# KiCad board AMC_FMC_Carrier-PcbDoc.kicad_pcb (continued)
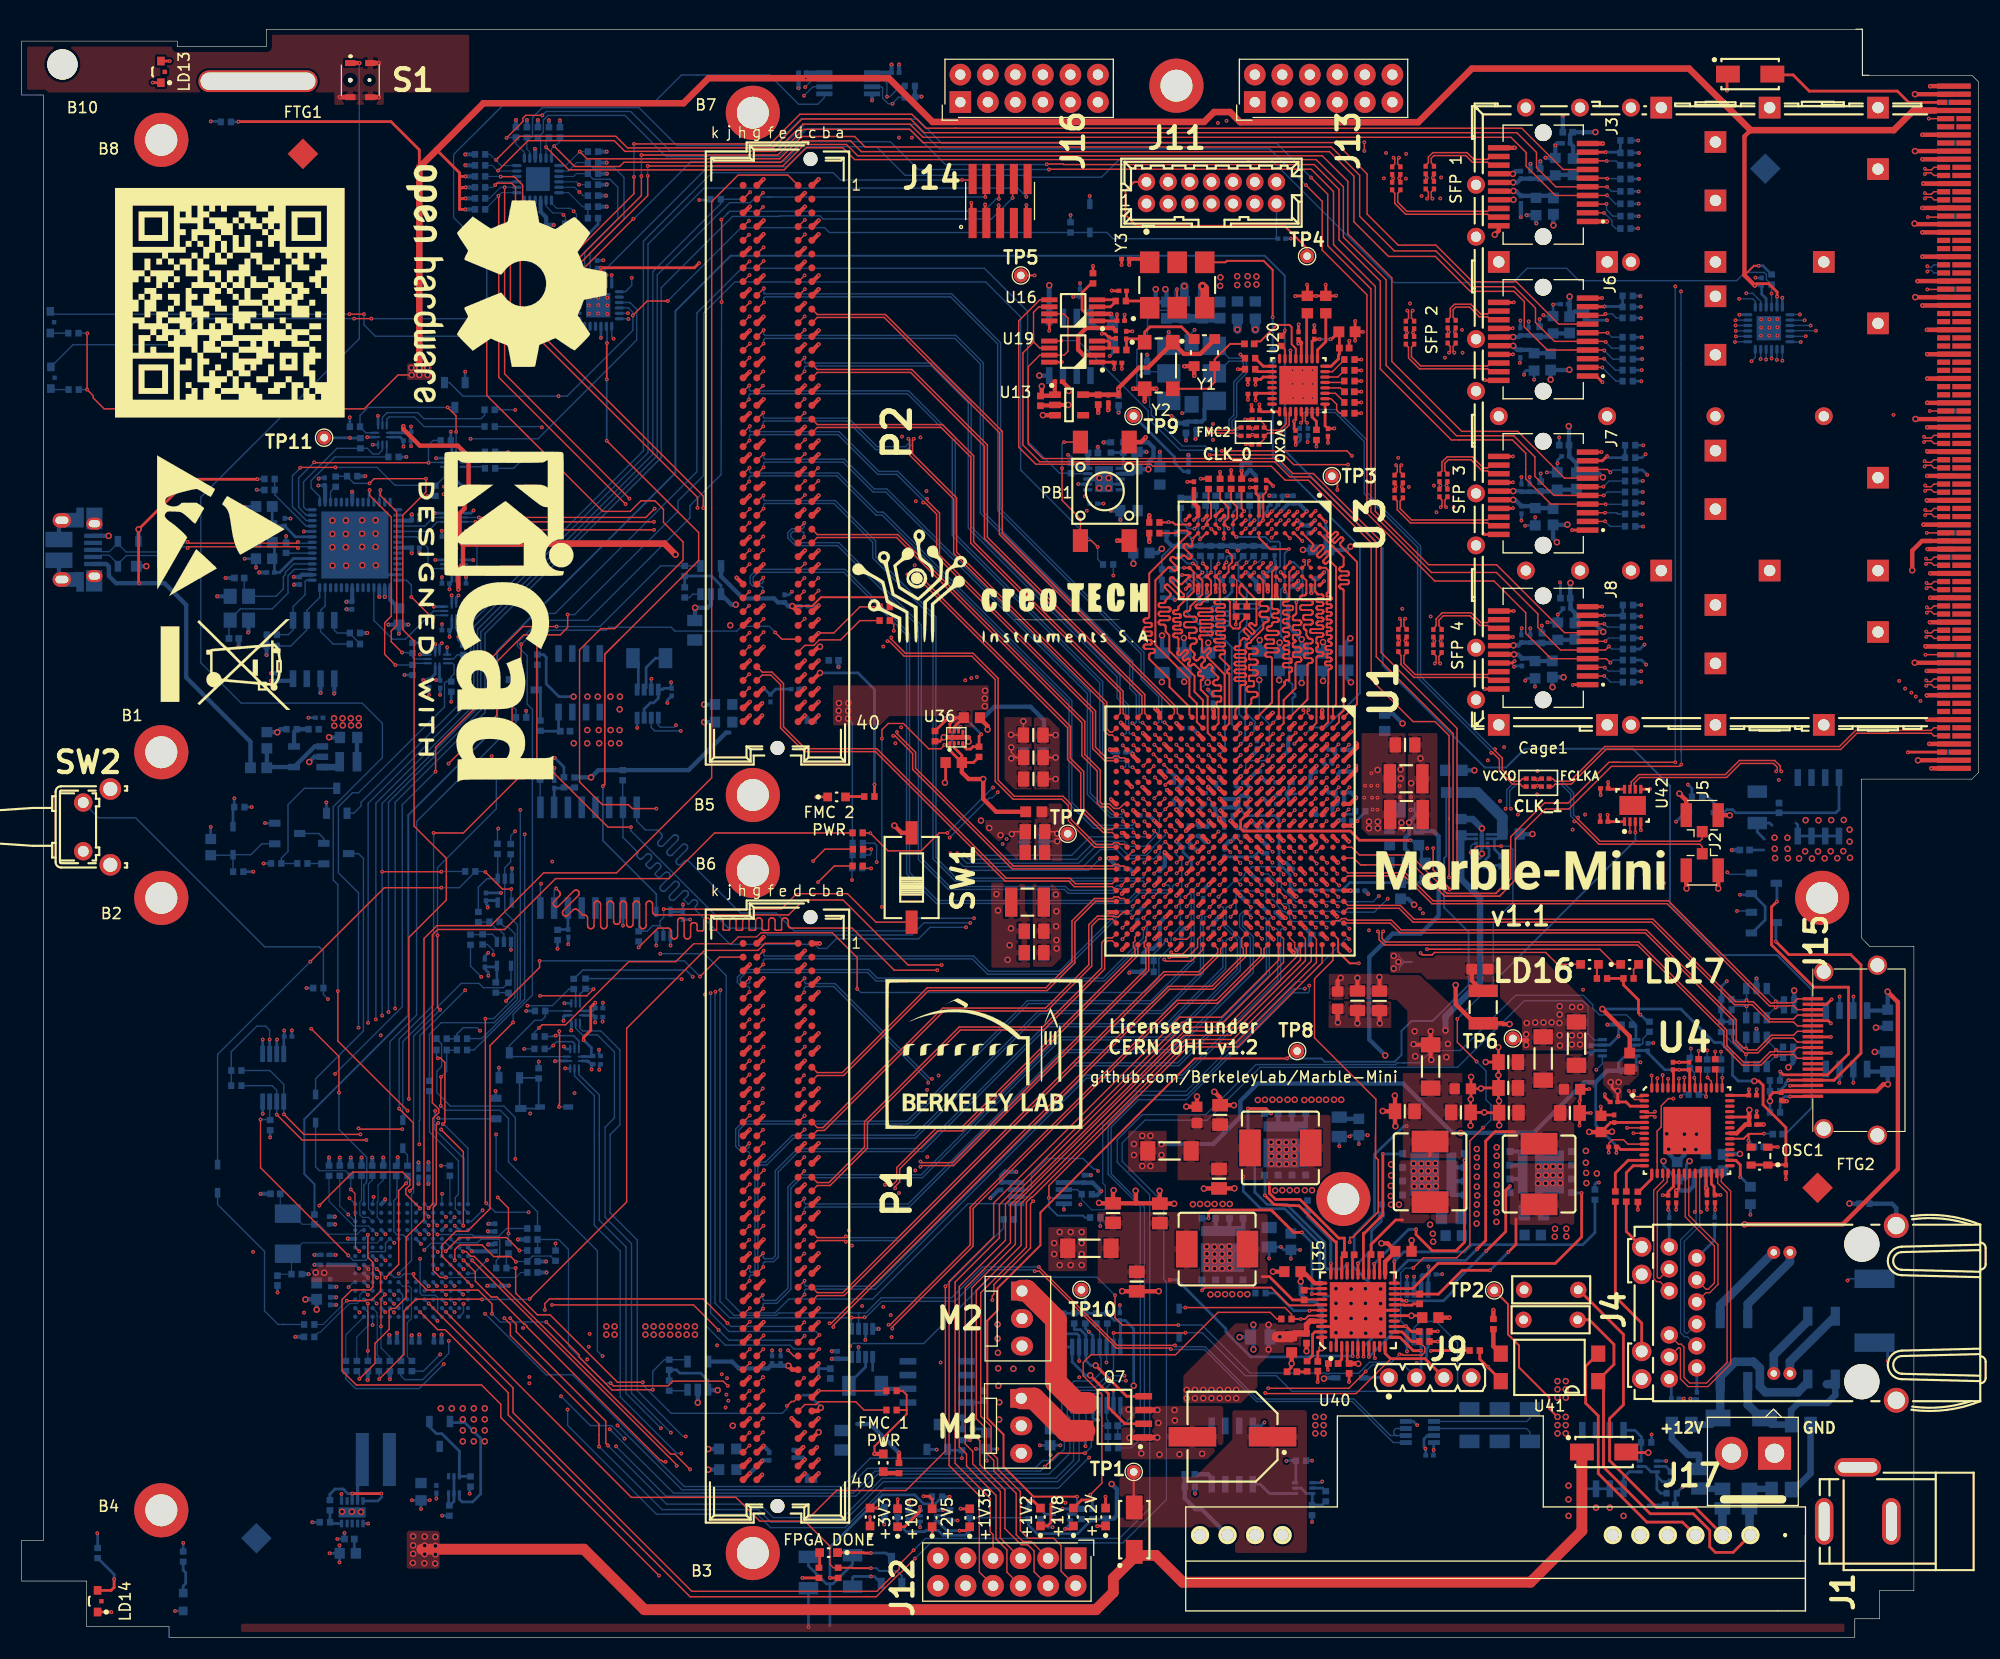
[diagram p0: board, top side]
## Routing (per net, layer and track width the routed paths; a pad name or vN(x,y) marks a point on that pad's centre or on a via; arc(x,y) is an arc through that point) (continued)
/FPGA/FPGA_INT: length 125.6
  Top w0.127: U1.F18 117.04,67.96 v1(117.5,67.5)
  In2.Cu w0.127: v1(38.4,35.6) 37.96,35.16 37.96,29.1 38.2,28.86 39.25,28.86 51.03,17.08 54.99,17.08 58.24,20.33 63.35,20.33 66.6,17.08 77.39,17.08 85.79,25.48 85.79,33.2 91.44,38.85 91.44,41.39 103.83,53.78 109.68,53.78 116.94,61.05 116.94,62.34 ; 116.94,62.34 116.94,63.6 117.02,63.67 117.02,67.02 v1(117.5,67.5) ; 116.94,62.34 116.94,62.26
  Bottom w0.127: v1(38.4,35.6) 38,36.01 U2.J10
/FPGA/FPGA_MGT/EXT_CLK_N: length 18.5
  Top w0.13: J2.1 155.12,73.01 154.88,73.25 145.57,73.25 143.47,75.35 v1(143.31,75.35)
  Bottom w0.13: v1(143.31,75.35) 143.31,75.51 142.97,75.85 142.97,77.88 142.07,78.78 141.56,78.78 141.33,78.55 C379.1
/FPGA/FPGA_MGT/EXT_CLK_P: length 18.5
  Top w0.13: J5.1 155.12,73.75 154.88,73.52 145.69,73.52 143.66,75.54 v1(143.66,75.7)
  Bottom w0.13: v1(143.66,75.7) 143.5,75.7 143.24,75.96 143.24,78 142.18,79.05 141.56,79.05 141.33,79.29 C378.1
/FPGA/FPGA_MGT/MGT_CLK_0_N: length 42.5
  Top w0.112: C297.2 113.87,111.05 v1(113.6,111.05) 113.35,111.05 C291.2
  Top w0.13: U1.E6 118.03,79.97 v1(118.49,80.43)
  In2.Cu w0.102: 118.5,80.43 118.19,80.43 118.12,80.5 118.12,81.67 118.28,81.84 118.69,81.84 119.09,82.24 119.09,83.68 119.63,84.23 120.16,84.23 122.11,86.17 122.11,103.87 118.06,107.92 114.25,107.92 112.48,109.69 112.48,111.04 112.66,111.22 113.43,111.22 v1(113.6,111.05)
  Bottom w0.13: C386.2 113.36,111.05 v1(113.6,111.05)
/FPGA/FPGA_MGT/MGT_CLK_0_P: length 43
  Top w0.112: C296.2 113.87,111.62 v1(113.6,111.62) 113.35,111.62 C290.2
  Top w0.13: U1.F6 v1(117.5,80.43)
  In2.Cu w0.102: v1(113.6,111.62) 113.43,111.45 112.57,111.45 112.25,111.13 112.25,109.59 114.15,107.7 117.96,107.7 121.88,103.77 121.88,86.27 120.07,84.45 119.53,84.45 118.86,83.78 118.86,82.33 118.6,82.07 118.19,82.07 117.89,81.77 117.89,80.51 117.8,80.43 117.51,80.43
  Bottom w0.13: v1(113.6,111.62) 113.35,111.62 C385.2 113.34,111.72
/FPGA/FPGA_MGT/MGT_CLK_1_N: length 33.8
  Top w0.102: C294.2 140.19,78.65 v1(139.92,78.65) 139.65,78.65 C289.2
  Top w0.13: U1.E10 118.03,75.96 v1(118.46,76.39)
  In2.Cu w0.102: v1(118.46,76.39) 118.21,76.39 118.09,76.27 118.09,74.87 118.72,74.24 130.38,74.24 137.09,80.95 140.92,80.95 141.62,80.25 141.62,79.26 141.17,78.82 140.09,78.82 v1(139.92,78.65)
  Bottom w0.102: C289.2 139.65,78.65 v1(139.92,78.65)
  Bottom w0.127: C379.2 140.19,78.65 v1(139.92,78.65)
/FPGA/FPGA_MGT/MGT_CLK_1_P: length 33.4
  Top w0.102: C292.2 140.19,79.22 v1(139.92,79.22) 139.65,79.22 C288.2
  Top w0.13: v1(117.5,76.39) 117.07,75.96 U1.F10
  In2.Cu w0.102: v1(117.5,76.39) 117.73,76.39 117.86,76.26 117.86,74.77 118.62,74.02 130.48,74.02 137.18,80.72 140.82,80.72 141.39,80.15 141.39,79.36 141.07,79.04 140.09,79.04 v1(139.92,79.22)
  Bottom w0.102: C293.2 139.64,79.22 v1(139.92,79.22)
  Bottom w0.127: v1(139.92,79.22) 140.22,79.22 C378.2
/FPGA/FPGA_MGT/MGT_RX_0_N: length 66.3
  Top w0.112: C323.2 129.69,134.54 v1(129.69,134.79) 129.69,135.05 C307.2
  Top w0.13: U1.A8 122.03,77.97 v1(122.55,78.5)
  In2.Cu w0.102: v1(129.69,134.79) 129.86,134.96 129.86,135.37 129.47,135.76 129.08,135.76 128.59,135.27 128.59,125.13 129.78,123.94 129.78,109.74 128.82,108.78 128.82,82.67 125.27,79.12 122.22,79.12 122.17,79.07 122.17,78.6 122.27,78.5 v1(122.55,78.5)
/FPGA/FPGA_MGT/MGT_RX_0_P: length 67.1
  Top w0.112: C306.2 130.26,135.05 v1(130.26,134.79) 130.26,134.54 C322.2
  Top w0.13: U1.B8 121.03,77.96 v1(121.57,78.5)
  In2.Cu w0.102: v1(121.57,78.5) 121.84,78.5 121.94,78.6 121.94,79.17 122.13,79.35 125.17,79.35 128.59,82.76 128.59,108.87 129.55,109.84 129.55,123.84 128.36,125.03 128.36,135.37 128.98,135.99 129.56,135.99 130.09,135.47 130.09,134.96 v1(130.26,134.79)
/FPGA/FPGA_MGT/MGT_RX_1_N: length 62.4
  Top w0.112: 120.44,75.37 v1(120.45,75.37) ; C325.2 131.71,120.31 v1(131.71,120.56) 131.71,120.84 C309.2
  Top w0.13: v1(120.45,75.37) 120.03,74.96 U1.C11
  In2.Cu w0.102: 120.3,75.4 120.17,75.4 120.07,75.49 120.07,75.8 120.11,75.84 129.92,75.84 132.96,78.88 132.96,115.5 130.75,117.71 130.75,121.45 131.34,122.05 131.65,122.05 131.88,121.82 131.88,120.73 v1(131.71,120.56)
/FPGA/FPGA_MGT/MGT_RX_1_P: length 63.2
  Top w0.112: C308.2 132.28,120.84 v1(132.28,120.56) 132.28,120.31 C324.2
  Top w0.13: v1(119.48,75.4) 119.04,74.96 U1.D11
  In2.Cu w0.102: 119.59,75.4 119.73,75.4 119.84,75.51 119.84,75.9 120.02,76.07 129.82,76.07 132.73,78.98 132.73,115.41 130.52,117.62 130.52,121.55 131.24,122.28 131.75,122.28 132.1,121.92 132.1,120.73 v1(132.28,120.56)
/FPGA/FPGA_MGT/MGT_RX_2_N: length 44.2
  Top w0.112: C327.2 130.94,106.11 v1(130.94,106.36) 130.94,106.64 C311.2 ; 122.48,76.41 v1(122.48,76.45)
  Top w0.13: U1.A10 122.03,76.01 v1(122.48,76.45)
  In2.Cu w0.102: v1(122.48,76.45) 122.19,76.45 122.1,76.54 122.1,76.84 122.17,76.91 129.26,76.91 132.07,79.72 132.07,101.05 129.73,103.39 129.73,107.05 130.15,107.47 130.79,107.47 131.11,107.14 131.11,106.53 v1(130.94,106.36)
/FPGA/FPGA_MGT/MGT_RX_2_P: length 45
  Top w0.112: 121.49,76.42 v1(121.49,76.45) ; C310.2 131.51,106.64 v1(131.51,106.36) 131.51,106.11 C326.2
  Top w0.13: U1.B10 121.03,76 v1(121.49,76.45)
  In2.Cu w0.102: v1(121.49,76.45) 121.78,76.45 121.87,76.54 121.87,76.93 122.07,77.14 129.16,77.14 131.84,79.82 131.84,100.96 129.5,103.29 129.5,107.15 130.05,107.7 130.88,107.7 131.34,107.24 131.34,106.53 v1(131.51,106.36)
/FPGA/FPGA_MGT/MGT_RX_3_N: length 28.4
  Top w0.112: C313.2 130.4,92.28 v1(130.4,92.01) 130.4,91.75 C329.2
  Top w0.13: v1(120.5,77.43) 120.03,76.97 U1.C9
  In2.Cu w0.102: v1(130.4,92.01) 130.57,92.18 130.57,92.62 130.43,92.76 129.99,92.76 129.81,92.57 129.81,86.55 130.72,85.63 130.72,79.92 128.77,77.98 123.06,77.98 123.01,77.93 120.16,77.93 120.07,77.83 120.07,77.53 120.17,77.43 v1(120.5,77.43)
/FPGA/FPGA_MGT/MGT_RX_3_P: length 29.2
  Top w0.112: 119.44,77.37 v1(119.44,77.46) ; C328.2 130.97,91.75 v1(130.97,92.01) 130.97,92.28 C312.2
  Top w0.13: U1.D9 119.03,77.05 v1(119.44,77.46)
  In2.Cu w0.102: v1(130.97,92.01) 130.8,92.18 130.8,92.72 130.53,92.99 129.9,92.99 129.58,92.67 129.58,86.45 130.49,85.54 130.49,80.02 128.68,78.21 122.96,78.21 122.91,78.16 120.07,78.16 119.84,77.93 119.84,77.54 119.76,77.46 v1(119.44,77.46)
/FPGA/FPGA_MGT/MGT_TX_0_N: length 59.1
  Top w0.112: 126.49,134.37 126.59,134.47 v1(126.59,134.73) 126.59,135 C315.2
  Top w0.13: U1.A4 122.03,81.96 v1(122.5,82.44)
  In2.Cu w0.102: 122.52,82.44 122.2,82.44 122.13,82.51 122.13,82.69 122.5,83.06 123.06,83.06 123.53,83.53 123.53,110.05 124.95,111.47 124.95,135.22 125.62,135.89 126.27,135.89 126.76,135.4 126.76,134.9 v1(126.59,134.73)
/FPGA/FPGA_MGT/MGT_TX_0_P: length 59.9
  Top w0.112: C314.2 127.16,135 v1(127.16,134.73) 127.16,134.47 127.25,134.37
  Top w0.13: v1(121.54,82.46) 121.04,81.96 U1.B4
  In2.Cu w0.102: 121.53,82.44 121.82,82.44 121.9,82.52 121.9,82.78 122.41,83.29 122.96,83.29 123.3,83.63 123.3,110.14 124.73,111.57 124.73,135.31 125.53,136.12 126.36,136.12 126.99,135.49 126.99,134.9 v1(127.16,134.73)
/FPGA/FPGA_MGT/MGT_TX_1_N: length 48.1
  Top w0.112: C317.2 127.86,120.75 v1(127.86,120.48) 127.86,120.22 C301.2
  Top w0.13: U1.C5 120.03,80.97 v1(120.5,81.45)
  In2.Cu w0.102: 120.48,81.44 120.17,81.44 120.1,81.51 120.1,81.7 120.26,81.86 123.62,81.86 124.95,83.2 124.95,109.34 127.06,111.45 127.06,121.12 127.25,121.31 127.74,121.31 128.03,121.02 128.03,120.65 v1(127.86,120.48)
/FPGA/FPGA_MGT/MGT_TX_1_P: length 48.8
  Top w0.112: C300.2 128.43,120.22 v1(128.43,120.48) 128.43,120.75 C316.2
  Top w0.13: v1(119.48,81.42) 119.03,80.97 U1.D5
  In2.Cu w0.102: v1(128.43,120.48) 128.26,120.65 128.26,121.12 127.83,121.54 127.15,121.54 126.83,121.22 126.83,111.54 124.73,109.43 124.73,83.3 123.52,82.09 120.17,82.09 119.87,81.79 119.87,81.53 119.79,81.44 119.49,81.44
/FPGA/FPGA_MGT/MGT_TX_2_N: length 32.5
  Top w0.112: C303.2 126.82,106.02 v1(126.82,106.26) 126.82,106.53 C319.2
  Top w0.13: U1.A6 122.03,79.98 v1(122.5,80.45)
  In2.Cu w0.102: v1(126.82,106.26) 126.99,106.43 126.99,106.85 126.7,107.14 126.31,107.14 126.05,106.87 126.05,83.23 123.9,81.08 122.17,81.08 122.08,80.99 122.08,80.57 122.2,80.45 122.33,80.45
/FPGA/FPGA_MGT/MGT_TX_2_P: length 33.3
  Top w0.112: C318.2 127.39,106.53 v1(127.39,106.26) 127.39,106.02 C302.2
  Top w0.13: U1.B6 121.03,79.99 v1(121.49,80.45)
  In2.Cu w0.102: v1(127.39,106.26) 127.22,106.43 127.22,106.94 126.79,107.37 126.22,107.37 125.82,106.97 125.82,83.32 123.8,81.31 122.07,81.31 121.86,81.09 121.86,80.54 121.77,80.45 121.62,80.45
/FPGA/FPGA_MGT/MGT_TX_3_N: length 21.3
  Top w0.112: C321.2 127.15,92.3 v1(127.15,92.06) 127.15,91.81 C305.2
  Top w0.13: U1.C7 120.04,78.96 v1(120.47,79.39)
  In2.Cu w0.102: 120.3,79.39 120.14,79.39 120.08,79.45 120.08,79.75 120.16,79.83 123.87,79.83 126.73,82.69 126.73,92.75 126.87,92.89 127.21,92.89 127.32,92.77 127.32,92.23 v1(127.15,92.06)
/FPGA/FPGA_MGT/MGT_TX_3_P: length 22.1
  Top w0.112: C320.2 127.72,92.28 v1(127.72,92.06) 127.72,91.84 C304.2
  Top w0.13: v1(119.46,79.39) 119.03,78.96 U1.D7
  In2.Cu w0.102: v1(127.72,92.06) 127.55,92.23 127.55,92.87 127.3,93.12 126.77,93.12 126.5,92.85 126.5,82.79 123.78,80.06 120.07,80.06 119.85,79.84 119.85,79.45 119.79,79.39 119.59,79.39
/FPGA/FPGA_MISO: length 127.9
  Top w0.127: U1.F20 117.44,65.55 v1(117.44,65.49)
  In2.Cu w0.127: 117.75,61.96 117.75,63.41 117.44,63.73 v1(117.44,65.49) ; 117.75,61.96 117.75,61.86 ; 117.75,61.96 117.75,61.38 109.8,53.43 104.09,53.43 91.87,41.21 91.87,38.65 86.22,32.99 86.22,25.27 76.88,15.93 66.86,15.93 62.94,19.85 58.52,19.85 55.35,16.67 50.86,16.67 39.06,28.47 37.96,28.47 37.16,29.27 v1(37.16,35.76)
  Bottom w0.127: 39.6,36.01 U2.J12 39.2,36.4 37.79,36.4 v1(37.16,35.76)
/FPGA/FPGA_MOSI: length 119.3
  Top w0.127: v1(40.74,35.62) 41.04,35.62 41.49,35.18 41.77,35.18 44.5,32.45 44.5,32.32 59.89,16.93 60.27,16.93 v1(61.7,15.51) ; v1(117.5,66.51) 117.05,66.96 U1.F19
  In2.Cu w0.127: 66.79,15.52 65.9,15.52 ; 66.79,15.52 77.83,15.52 86.69,24.38 86.69,32.85 92.2,38.37 92.2,40.86 104.44,53.1 109.96,53.1 118.19,61.33 118.19,63.46 117.83,63.82 117.83,66.18 v1(117.5,66.51) ; 66.79,15.52 65.87,15.52 65.33,14.97 62.23,14.97 v1(61.7,15.51) 61.71,15.52
  Bottom w0.127: v1(40.74,35.62) 40.39,35.98 U2.J13
/FPGA/FPGA_PWR&MISC/FPGA_INIT: length 89.2
  Top w0.112: v1(105.56,74.46) 106.03,73.99 U1.U12
  In2.Cu w0.127: v1(49.28,36.38) 49.28,46.04 v1(46.94,48.37)
  In5.Cu w0.127: 51.7,53.24 51.7,53.14 v1(46.94,48.37)
  In5.Cu w0.15: 59.7,61.24 64.67,66.2 69.21,66.2 74.6,71.59 85.55,71.59 v1(86.36,72.4) ; 59.7,61.24 59.64,61.18 ; 59.7,61.24 53.13,54.67 53.08,54.67 52.89,54.47 52.89,54.42 51.7,53.24
  Bottom w0.127: 103.78,72.2 104.28,72.71 104.28,72.82 104.47,73.01 ; 103.78,72.2 102.15,72.2 101.19,73.16 99.24,73.16 97.56,71.49 87.24,71.49 86.36,72.37 v1(86.36,72.4) ; 103.78,72.2 103.97,72.39 ; 104.47,73.01 104.33,72.87 ; 104.47,73.01 105.56,74.1 v1(105.56,74.46) ; v1(49.28,36.38) R159.1
  Bottom w0.13: v1(78.92,71.59) 78.92,73.14 78.71,73.34 R282.1
/FPGA/FPGA_REF_CLK0_N: length 48.4
  Top w0.112: U20.5 118.19,113.1
  Top w0.13: v1(135.99,82.02) 135.99,81.87 136.66,81.2 136.66,80.13 137.72,79.07 138.3,79.07 138.53,79.3 C288.1 ; U20.5 118.22,113.07 118.22,112.31 v1(118.07,112.16)
  Bottom w0.112: v1(118.07,112.16) 118.07,111.68 118.03,111.64
  Bottom w0.13: v1(118.07,112.16) 118.22,112.31 118.22,112.94 118.66,113.38 121.34,113.38 124.19,110.53 124.19,105.71 129.12,100.78 129.12,88.74 135.83,82.02 v1(135.99,82.02)
/FPGA/FPGA_REF_CLK0_P: length 47.9
  Top w0.112: U20.6 118.52,113.1
  Top w0.13: v1(135.64,81.68) 135.8,81.68 136.39,81.08 136.39,80.02 137.61,78.8 138.3,78.8 138.53,78.56 C289.1 ; U20.6 118.49,113.07 118.49,112.31 v1(118.64,112.16)
  Bottom w0.112: 118.69,111.64 118.64,111.69 v1(118.64,112.16)
  Bottom w0.13: v1(118.64,112.16) 118.49,112.31 118.49,112.83 118.77,113.11 121.23,113.11 123.92,110.42 123.92,105.6 128.85,100.67 128.85,88.63 135.64,81.83 v1(135.64,81.68)
/FPGA/FPGA_REF_CLK1_N: length 4.5
  Top w0.118: R61.2 114.67,112.03 C296.1
  Top w0.13: C296.1 114.73,111.72 114.98,111.47 116.12,111.47 116.72,112.07 116.72,113.07 U20.2
/FPGA/FPGA_REF_CLK1_P: length 5
  Top w0.118: R169.2 114.67,110.65 C297.1
  Top w0.13: C297.1 114.74,110.95 115,111.2 116.23,111.2 116.99,111.96 116.99,113.07 U20.3
/FPGA/FPGA_RESETn: length 13.3
  Top w0.102: 45.14,35.16 44.9,35.16
  Top w0.127: v1(39.98,34.81) 39.98,35.8 40.41,36.23 42.49,36.23 43.56,35.16 43.89,35.16 ; 43.89,35.16 44.9,35.16 ; 43.89,35.16 45.14,35.16 v1(45.62,34.68)
  Bottom w0.102: v1(45.62,34.68) 45.64,34.71 R142.1
  Bottom w0.127: v1(39.98,34.81) 39.59,35.2 U2.H12 ; R142.1 46.67,34.73 47.15,35.21 48.82,35.21 49.26,34.77 R159.2
/FPGA/FPGA_SCK: length 123.6
  Top w0.127: 42.95,31.81 43,31.76 ; 42.95,31.81 43.33,31.43 43.86,31.43 46.37,28.93 46.45,28.93 46.64,28.74 46.64,28.65 58.95,16.34 59.06,16.34 59.19,16.22 v1(59.44,16.22) ; 42.95,31.81 41.87,32.89 41.87,33.73 v1(40.79,34.81) ; U1.C20 v1(120.45,65.54)
  In2.Cu w0.127: 88.54,24.62 88.54,22.29 79.36,13.11 60.95,13.11 ; 88.54,24.62 88.54,24.54 ; 88.54,24.62 88.54,31.85 94.15,37.46 94.15,39.39 95.21,40.45 95.21,40.69 106.02,51.5 112.01,51.5 120.12,59.6 120.12,65.21 v1(120.45,65.54) ; 60.95,13.11 60.62,13.11 59.44,14.29 v1(59.44,16.22) ; 60.95,13.11 60.82,13.11
  Bottom w0.127: v1(40.79,34.81) 40.4,35.21 U2.H13
/FPGA/FPGA_SSEL: length 119.4
  Top w0.127: v1(119.46,65.54) 119.04,65.96 U1.D20 ; v1(41.58,34.81) 60.45,15.94 v1(60.45,15.84)
  In2.Cu w0.127: v1(119.46,65.54) 119.46,60.09 111.5,52.13 105.51,52.13 93.71,40.33 93.71,40.12 93.39,39.81 93.39,37.82 87.91,32.33 87.91,23.27 78.65,14.01 61.26,14.01 60.45,14.82 v1(60.45,15.84)
  Bottom w0.127: U2.H14 41.19,35.2 v1(41.58,34.81)
/FPGA/FPGA_TCK: length 59.2
  Top w0.112: U1.V12 105.03,73.97 v1(104.52,74.49)
  In5.Cu w0.15: v1(87.6,72.22) 85.95,70.57 75.03,70.57 69.52,65.06 65.2,65.06 v1(60.91,60.78) 60.86,60.72
  Bottom w0.127: v1(104.52,74.49) 104.52,74.24 104.2,73.92 98.62,73.92 96.91,72.21 87.62,72.21 v1(87.6,72.22)
  Bottom w0.15: R229.1 60.86,60.83 v1(60.91,60.78)
/FPGA/FPGA_TDI: length 64.3
  Top w0.127: U1.R13 108.03,72.97 v1(108.51,73.44)
  In5.Cu w0.127: v1(99.54,71.92) 99.93,72.31 100.5,72.31 100.89,71.92 106.99,71.92 v1(108.51,73.44)
  In5.Cu w0.15: v1(87.14,70.83) 86.13,69.81 78.45,69.81 72.63,64 64.93,64 v1(61.94,61)
  Bottom w0.127: v1(87.14,70.83) 98.45,70.83 v1(99.54,71.92)
  Bottom w0.15: v1(61.94,61) 61.31,61.62 51.78,61.62 50.97,60.81 R215.1
/FPGA/FPGA_TDO: length 71.4
  Top w0.127: v1(105.56,73.47) 106.03,73 U1.U13
  In5.Cu w0.127: v1(46.38,54.34) 46.79,53.94 46.86,53.94
  In5.Cu w0.15: 46.86,53.94 47.22,53.58 51.4,53.58 64.49,66.66 68.81,66.66 74.55,72.4 v1(85.72,72.4)
  Bottom w0.127: R216.1 v1(46.38,54.34) ; v1(105.56,73.47) 105.08,72.99 105.08,72.45 104.54,71.91 101.87,71.91 101.02,72.76 99.57,72.76 97.98,71.17 87.34,71.17 87.32,71.19 86.93,71.19 v1(85.72,72.4)
/FPGA/FPGA_TMS: length 79.8
  Top w0.102: 62.03,64.05 65.51,64.05 66.14,64.68 67.84,64.68 68.22,65.06
  Top w0.127: 62.03,64.05 60.38,62.39 56.03,62.39 50.21,56.57 48.04,56.57 v1(47.75,56.28) ; v1(77.11,59.88) 77.11,62.78 74.83,65.06 68.22,65.06 ; v1(106.55,72.57) 106.95,72.96 U1.T13
  Bottom w0.127: v1(77.11,59.88) 77.44,59.55 103.66,59.55 104.96,60.86 104.96,62.67 106.08,63.78 106.08,64.77 106.94,65.64 106.94,68.65 107.07,68.78 107.07,71.8 106.55,72.32 v1(106.55,72.57) ; v1(47.75,56.28) 47.33,55.86 R228.1
/FPGA/FPGA_XR_GPIO_0: length 45
  Top w0.127: 119.33,60.67 119.33,55.36 124.99,49.69 124.96,46.3 ; U35.9 124.84,25.85 v1(124.91,25.78) ; v1(122.58,36.49) 122.58,36.93
  Top w0.13: U1.B22 121.03,62.52 119.33,60.82 119.33,60.67
  Top w0.15: 122.58,36.93 122.85,36.93 125.21,39.3 125.21,44.1 124.96,44.35 124.96,46.3
  In2.Cu w0.127: v1(124.91,25.78) 124.91,33.27 124.08,34.1 124.08,35.62 123.21,36.49 v1(122.58,36.49)
/FPGA/I2C_APP_SCL: length 347.7
  Top w0.127: v1(123.93,138.06) v1(123.93,137.26)
  Top w0.13: v1(93.5,33.82) 93.93,33.82 101.04,26.71 105.98,26.71 v1(106.07,26.62) ; v1(77.8,29.55) 77.77,29.53 v1(76.61,29.53)
  In2.Cu w0.127: v1(64.04,59.62) 64.04,67.32 60.39,70.98 v1(60.39,84.23) 60.39,93.65 57.4,96.63 57.4,121.92 55.08,124.24 53.48,124.24 v1(51.96,125.76) 51.96,126.78 56.12,130.94 56.12,131.16 60.91,135.95 60.92,135.95 61.26,136.29 69.96,136.29 72.61,138.95 78.64,138.95 80.36,137.22 93.8,137.22 94.64,138.06 v1(123.93,138.06) 137.95,138.06 138.53,137.48 138.53,134.94 143.79,129.68 143.79,126.3 144.96,125.13 148.94,125.13 152.17,121.91 157.1,121.91 158.52,123.33 v1(158.52,123.61) ; v1(108.26,120.75) 108.26,124.99 112.78,129.51 116.18,129.51 v1(123.93,137.26)
  Bottom w0.102: U5.15 50.95,134.91 51.21,135.17 R57.1
  Bottom w0.127: v1(158.52,123.61) 159.77,123.61 160.01,123.37 U34.19 ; 51.96,125.88 U39.19 ; 51.96,125.88 51.96,127.95 55.02,131 55.02,133.92 54.29,134.65 52.76,134.65 52.26,135.15 R57.1 ; 51.96,125.88 v1(51.96,125.76) ; v1(60.39,84.23) 60.21,84.05 58.95,84.05 58.76,84.24 U32.5 ; v1(108.26,120.75) 107.98,120.47 Y6.8 ; 76.57,29.53 76.6,29.51 v1(76.61,29.53) 76.36,29.53 76.33,29.5 65.35,29.5 63.99,30.86 63.99,59.33 64.04,59.38 v1(64.04,59.62)
  Bottom w0.13: v1(76.61,29.53) 76.6,29.52 U17.5 ; v1(93.5,33.82) 93.37,33.95 89.05,33.95 86.14,31.03 79.4,31.03 77.93,29.55 v1(77.8,29.55) 77.85,29.55 ; v1(106.07,26.62) 106.16,26.62 106.2,26.58 109.17,26.58 113.98,21.78 122.81,21.78 126.6,17.99 U43.5
/FPGA/I2C_APP_SDA: length 360.7
  Top w0.127: v1(106.45,26.96) 101.12,26.96 v1(93.88,34.2)
  In2.Cu w0.102: 124.48,136.91 124.48,136.63
  In2.Cu w0.127: 124.48,137.68 136.55,137.68 138.2,136.03 138.2,134.48 143.05,129.63 143.05,126.25 145.08,124.22 147.65,124.22 148.56,123.3 149.83,123.3 151.87,121.27 156.96,121.27 159.18,123.49 v1(159.18,124.12) ; 124.48,137.68 124.48,136.74 117.65,129.91 117.65,127.82 117.63,127.79 114.33,124.46 113.23,124.46 112.31,123.55 ; 124.48,137.68 94.79,137.68 94,136.89 79.76,136.89 78.51,138.14 78.51,138.15 78.11,138.55 72.61,138.55 69.92,135.85 62.02,135.85 61.75,135.58 61.75,135.57 56.67,130.49 56.34,130.49 52.46,126.62 v1(52.46,125.95) 53.82,124.59 55.37,124.59 57.8,122.16 57.8,96.81 60.83,93.78 v1(60.83,83.71) 60.83,71.36 64.5,67.7 v1(64.5,59.78) ; 112.31,123.55 112.61,123.85 ; 112.31,123.55 110.41,121.65 110.41,117.65 107.11,114.35 v1(107.11,113.05)
  Bottom w0.102: R75.1 51.23,136.18 50.46,135.41 U5.14
  Bottom w0.127: R75.1 52.26,136.16 52.74,135.68 54.73,135.68 55.6,134.81 55.6,130.97 52.46,127.84 v1(52.46,125.95) U39.20 52.46,125.49 ; 125.68,19.29 125.37,19.6 ; 125.37,19.6 126.33,18.64 126.97,18.64 ; 125.37,19.6 122.96,22.01 114.07,22.01 109.24,26.83 106.58,26.83 v1(106.45,26.96) ; U34.20 160.51,123.37 159.76,124.12 v1(159.18,124.12) ; 77.29,29.96 77.93,29.96 79.33,31.36 85.83,31.36 88.68,34.21 93.63,34.2 v1(93.88,34.2) ; 77.29,29.96 77.25,29.91 U17.6 ; 77.29,29.96 76.17,29.96 ; 126.97,18.64 U43.6 ; 126.97,18.64 126.84,18.64 126.64,18.83 126.64,19.09 126.84,19.29 U43.7 ; 76.17,29.96 69.86,29.96 69.63,29.73 65.76,29.73 64.45,31.04 64.45,59.48 64.5,59.53 v1(64.5,59.78) ; 76.17,29.96 76.61,29.96 ; v1(60.83,83.71) 58.43,83.71 58.11,84.03 U32.6 ; Y6.7 107.98,113.74 107.29,113.05 v1(107.11,113.05)
/FPGA/I2C_FPGA_SCL: length 131.9
  In5.Cu w0.127: v1(36.7,45.53) 36.73,45.53 v1(38.71,43.55) ; v1(72.32,143.16) 73.04,142.44 73.04,140.12 68.88,135.97 59.75,135.97 55.47,131.69 v1(50.95,131.69) 50.95,130.99 51.98,129.96 51.98,127.33 44.35,119.7 44.35,116.57 ; 44.35,116.57 44.35,116.5 ; 44.35,116.57 44.35,80.68 40.97,77.3 40.97,74.05 ; 40.97,74.05 40.97,73.13 40.93,73.1 v1(40.93,59.75) ; 40.97,74.05 40.97,73.6
  Bottom w0.102: R39.2 51.21,131.43 v1(50.95,131.69) 50.67,131.97 49.38,131.97 48.9,132.44 U5.19
  Bottom w0.127: U46.7 72.99,143.83 v1(72.32,143.16) ; v1(38.71,43.55) 38.72,43.56 R136.1 ; v1(40.93,59.75) 36.75,55.57 36.75,47.76 36.7,47.71 v1(36.7,45.53)
/FPGA/I2C_FPGA_SDA: length 135.6
  In5.Cu w0.127: 43.86,116.55 43.86,116.45 ; 43.86,116.55 43.86,80.99 40.54,77.66 40.54,49.69 v1(43.79,46.44) ; 43.86,116.55 43.86,120.05 51.62,127.81 51.62,129.54 51.24,129.92 50,131.09 50.01,131.11 v1(50.01,131.36) 51.19,132.54 52.77,132.54 53.71,133.47 53.98,133.47 57.05,136.54 68.47,136.54 72.21,140.28 v1(72.21,142.37)
  Bottom w0.102: R40.2 50.19,131.18 49.83,131.53 49.02,131.53 48.4,132.16 U5.20
  Bottom w0.127: v1(72.21,142.37) 73.03,143.18 U46.6 ; R135.1 47.61,39.29 43.79,43.12 v1(43.79,46.44) ; 50.06,131.31 v1(50.01,131.36)
/FPGA/I2C_FPGA_SW_RST: length 176.3
  Top w0.127: v1(93.36,40.27) 93.12,40.02 93.12,35.95 89.74,32.58 89.74,31.69 89.59,31.54 v1(89.59,31.15)
  In2.Cu w0.127: 58.93,21.22 58.55,21.22 ; 58.93,21.22 58.52,21.22 v1(55.65,18.35) ; 58.93,21.22 58.94,21.21 64.96,21.21 v1(64.97,21.22) ; v1(49.78,22.26) 49.78,46.29 47.02,49.05 47.02,77.73 v1(43.38,81.37)
  In5.Cu w0.127: v1(43.38,81.37) 43.23,81.52 43.23,120.61 45.87,123.25 45.83,127 45,127.84 45,129.78 45.87,130.66 v1(45.87,131.46) ; v1(64.97,21.22) 66.23,21.22 66.74,20.71 77.49,20.71 87.93,31.15 v1(89.59,31.15)
  Bottom w0.102: R41.2 45.36,130.95 v1(45.87,131.46) 46.4,131.99 U5.24 ; U47.6 92.94,40.7 v1(93.36,40.27)
  Bottom w0.127: v1(49.78,22.26) 52.49,19.56 54.45,19.56 v1(55.65,18.35)
/FPGA/I2C_HDMI_SCL: length 193.7
  In2.Cu w0.127: v1(157.43,70.65) 157.12,70.96 157.12,76.08 158.16,77.13 158.16,90.51 164.69,97.04 164.69,114.64 166.72,116.67 166.72,124.12 160.1,130.75 154.74,130.75 153.82,131.66 153.82,134.1 147.98,139.94 111.33,139.94 111.22,140.05 v1(111.21,140.05)
  In5.Cu w0.127: v1(111.21,140.05) 110.38,139.22 83.4,139.22 78.14,144.47 61.82,144.47 54.18,136.83 54.07,136.83 52.3,135.06 52.3,134.28 v1(51.48,133.46)
  Bottom w0.102: U5.17 51.04,133.91 v1(51.48,133.46) 51.82,133.13 R83.1
  Bottom w0.127: 159.65,70.47 157.61,70.47 v1(157.43,70.65)
/FPGA/I2C_HDMI_SDA: length 196.7
  In2.Cu w0.127: v1(110.41,139.84) 110.67,139.59 138.12,139.59 140.44,137.27 143.31,137.27 ; v1(158.32,67.07) 157.98,67.07 156.12,68.93 156.12,79.53 157.79,81.2 157.79,97.93 163.98,104.13 163.98,114.82 166.34,117.18 166.34,123.91 160.3,129.96 154.46,129.96 153.16,131.25 ; 143.31,137.27 145.39,137.27 145.9,136.77 149.08,136.77 152.68,133.16 152.68,131.74 153.16,131.25 ; 143.31,137.27 143.56,137.27 ; 153.16,131.25 152.75,131.66
  In5.Cu w0.127: v1(51.45,134.15) 51.45,135.19 61.27,145.01 78.47,145.01 83.62,139.86 107.77,139.86 107.8,139.84 v1(110.41,139.84)
  Bottom w0.102: R91.1 v1(51.45,134.15) 51.45,134.16 51.2,134.41 U5.16
  Bottom w0.127: 159.64,67.07 158.32,67.07 v1(158.32,67.07)
/FPGA/PROG_B: length 213.8
  Top w0.127: v1(50.39,94.45) 50.39,93.26 49.71,92.57 46.33,92.57 43.86,90.11 43.86,85.15 v1(39.39,80.68) ; PB1.1 96.22,110.38 v1(96.21,110.37) ; v1(99.31,100.7) 98.73,101.28 PB1.2 97.72,103.3 96.03,105 v1(96.03,107.96) ; v1(110.46,74.41) 110.03,73.98 U1.N12
  In2.Cu w0.127: v1(36.78,34.96) 36.27,35.47 36.27,38.09 37.45,39.27 37.74,39.27 39.48,41.01 39.48,47.67 39.39,47.75 v1(39.39,80.68) ; v1(110.46,74.41) 108.2,74.41 107.99,74.62 107.93,74.62 106.46,76.09 106.41,76.09 106.21,76.3 106.21,79.64 107.68,81.1 107.76,81.1 107.99,81.34 107.99,92.42 99.71,100.7 v1(99.31,100.7)
  Bottom w0.127: 38.79,29.6 U2.A11 38.4,30 38.4,31.36 38.16,31.6 36.97,31.6 36.78,31.79 v1(36.78,34.96) ; v1(96.21,110.37) 96.03,110.19 v1(96.03,107.96) ; v1(50.39,94.45) 51.05,94.45 60.58,103.98 60.58,104.93 62.93,107.28 62.94,122.29 65.81,125.16 88.98,125.16 92.2,121.93 92.2,107.81 v1(99.31,100.7) 99.31,99.57 R160.2
/FPGA/Self_FPGA_TCK: length 137.9
  Top w0.127: U1.E18 118.03,67.93 v1(118.46,67.5)
  In2.Cu w0.127: v1(118.46,67.5) 118.11,67.14 118.11,64.02 118.57,63.56 118.57,61.22 110.14,52.79 104.77,52.79 92.56,40.58 92.56,38.19 87.11,32.74 87.11,24.24 77.52,14.66 61.88,14.66 61.29,15.25 v1(61.29,18.55)
  Bottom w0.127: 54.32,46.43 55.22,47.33 55.22,54.24 53.47,55.99 51.78,55.99 51.53,56.25 U8.8 ; 54.32,46.43 54.32,46.37 ; 54.32,46.43 54.32,39.19 56.82,36.69 56.82,22.78 61.04,18.55 v1(61.29,18.55)
/FPGA/Self_FPGA_TDI: length 141.2
  Top w0.127: U1.D19 v1(119.48,66.51)
  In2.Cu w0.127: v1(119.48,66.51) 119.84,66.15 119.84,60.06 111.58,51.8 105.71,51.8 94.87,40.96 94.68,40.96 94.47,40.75 94.47,40.56 93.72,39.81 93.72,37.69 88.23,32.19 88.23,22.71 78.98,13.46 61,13.46 59.92,14.54 v1(59.92,18.91)
  Bottom w0.127: v1(59.92,18.91) 56.29,22.54 56.29,36.36 53.85,38.8 53.85,47.1 54.71,47.97 54.71,54.06 53.14,55.64 51.74,55.64 51.13,56.25 U8.9
/FPGA/Self_FPGA_TDO: length 132.5
  Top w0.127: v1(118.49,66.51) 118.04,66.96 U1.E19
  In2.Cu w0.127: 118.92,62.08 118.92,61.02 110.34,52.44 105.16,52.44 93.47,40.75 ; 118.92,62.08 118.92,66.08 v1(118.49,66.51) ; 118.92,62.08 118.92,61.99 ; 93.47,40.75 93.42,40.7 ; 93.47,40.75 93.31,40.75 92.98,40.42 92.98,37.93 87.55,32.51 87.55,23.89 81.07,17.41 80.8,17.41 77.65,14.26 61.72,14.26 60.88,15.1 v1(60.88,16.98)
  Bottom w0.127: v1(60.88,16.98) 60.48,16.98 55.24,22.21 55.24,35.67 52.86,38.06 52.86,50.01 51.03,51.84 U9.9
/FPGA/Self_FPGA_TMS: length 140.3
  Top w0.127: U1.C19 120.03,66.95 v1(120.47,66.51)
  In2.Cu w0.112: 120.85,65.52 120.85,65.98 120.78,66.04 120.78,66.2 v1(120.47,66.51)
  In2.Cu w0.127: 88.92,24.78 88.92,21.26 81.13,13.47 80.71,13.47 79.72,12.48 72.95,12.48 71.6,11.14 69.29,11.14 67.88,12.55 60.51,12.55 ; 88.92,24.78 88.92,24.69 ; 88.92,24.78 88.92,31.66 97.03,39.76 97.03,41.97 106.2,51.14 112.37,51.14 120.85,59.63 120.85,62.36 ; v1(59,19.31) 59,14.01 60.46,12.55 60.51,12.55 ; 120.85,65.52 120.85,62.36 ; 120.85,62.36 120.85,62.22 ; 60.51,12.55 60.43,12.55
  Bottom w0.127: U9.8 51.43,51.97 53.31,50.09 53.31,46.47 ; 53.31,46.47 53.31,38.52 55.78,36.05 55.78,22.53 v1(59,19.31) ; 53.31,46.47 53.31,46.34